# Altium PCB SensorControl_Board_v3.0.PcbDoc
Units mm, origin at the board's own origin, x right, y up, seen from the top; angles counter-clockwise.
Board outline 75 x 62 mm, 4 copper layers (TOP, GND, PWR, BOT), stack 1.483 mm thick; 120 components, 95 nets, 444 pads, 12 vias.
Unrouted connection lines stored in the file: 255.
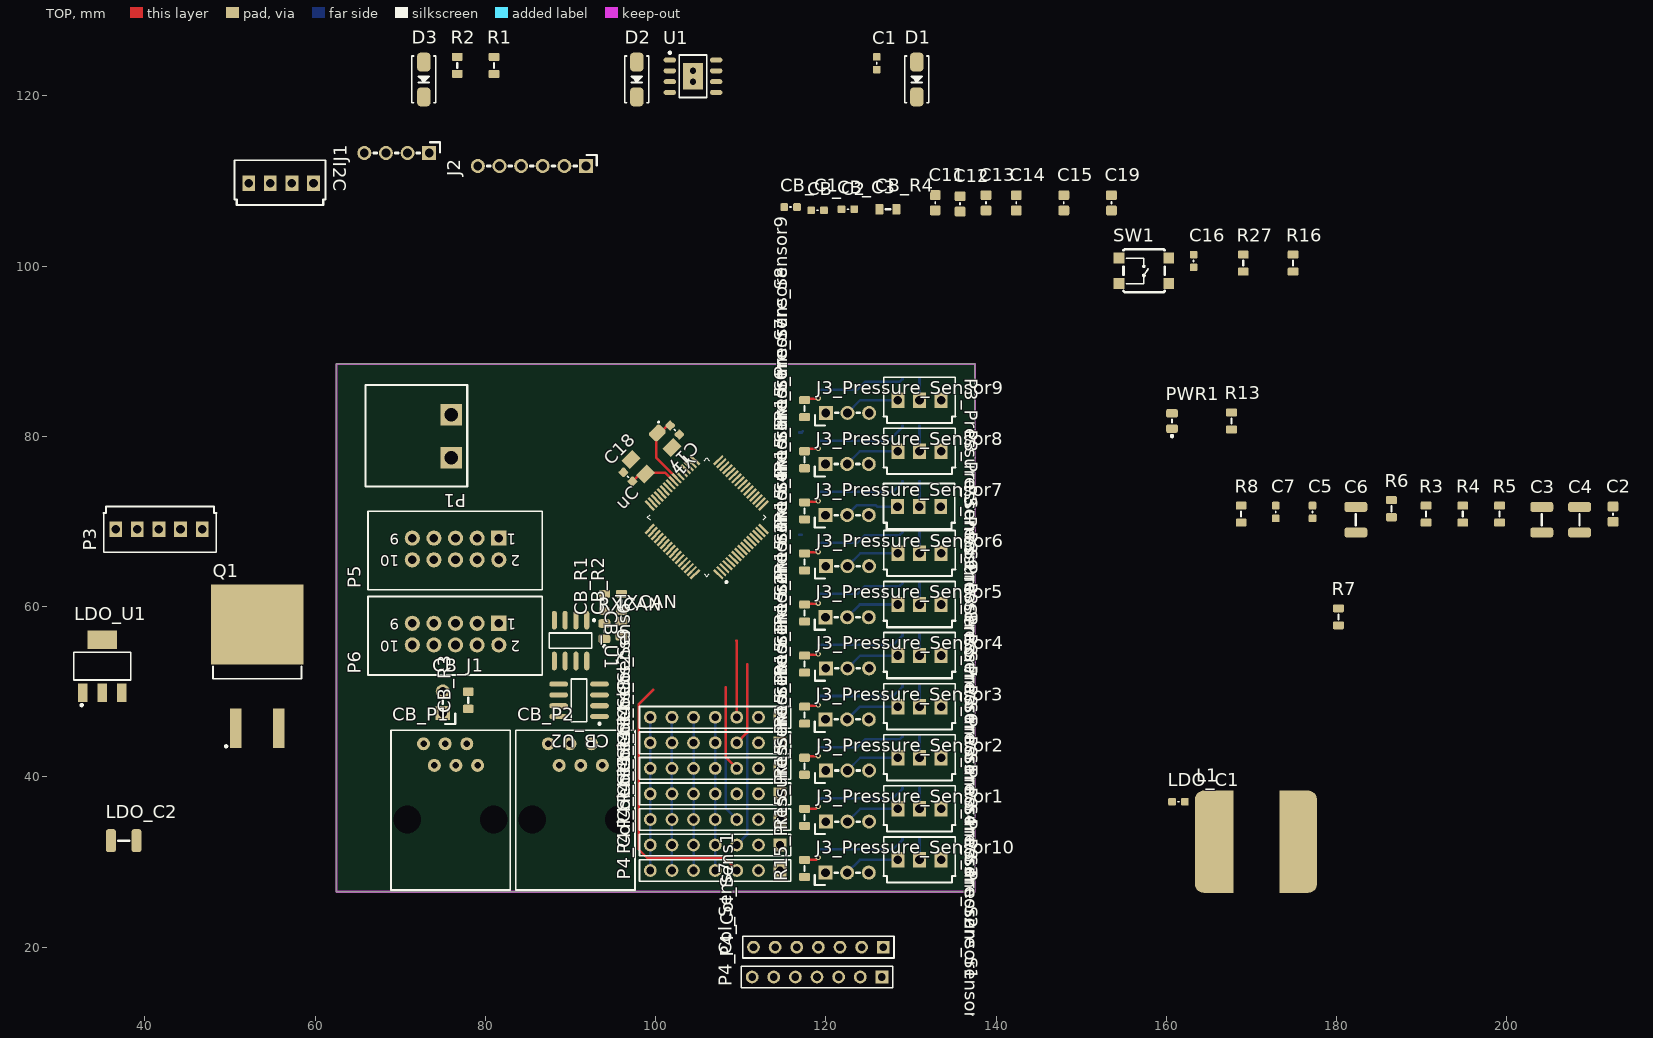
[diagram p0: TOP view]
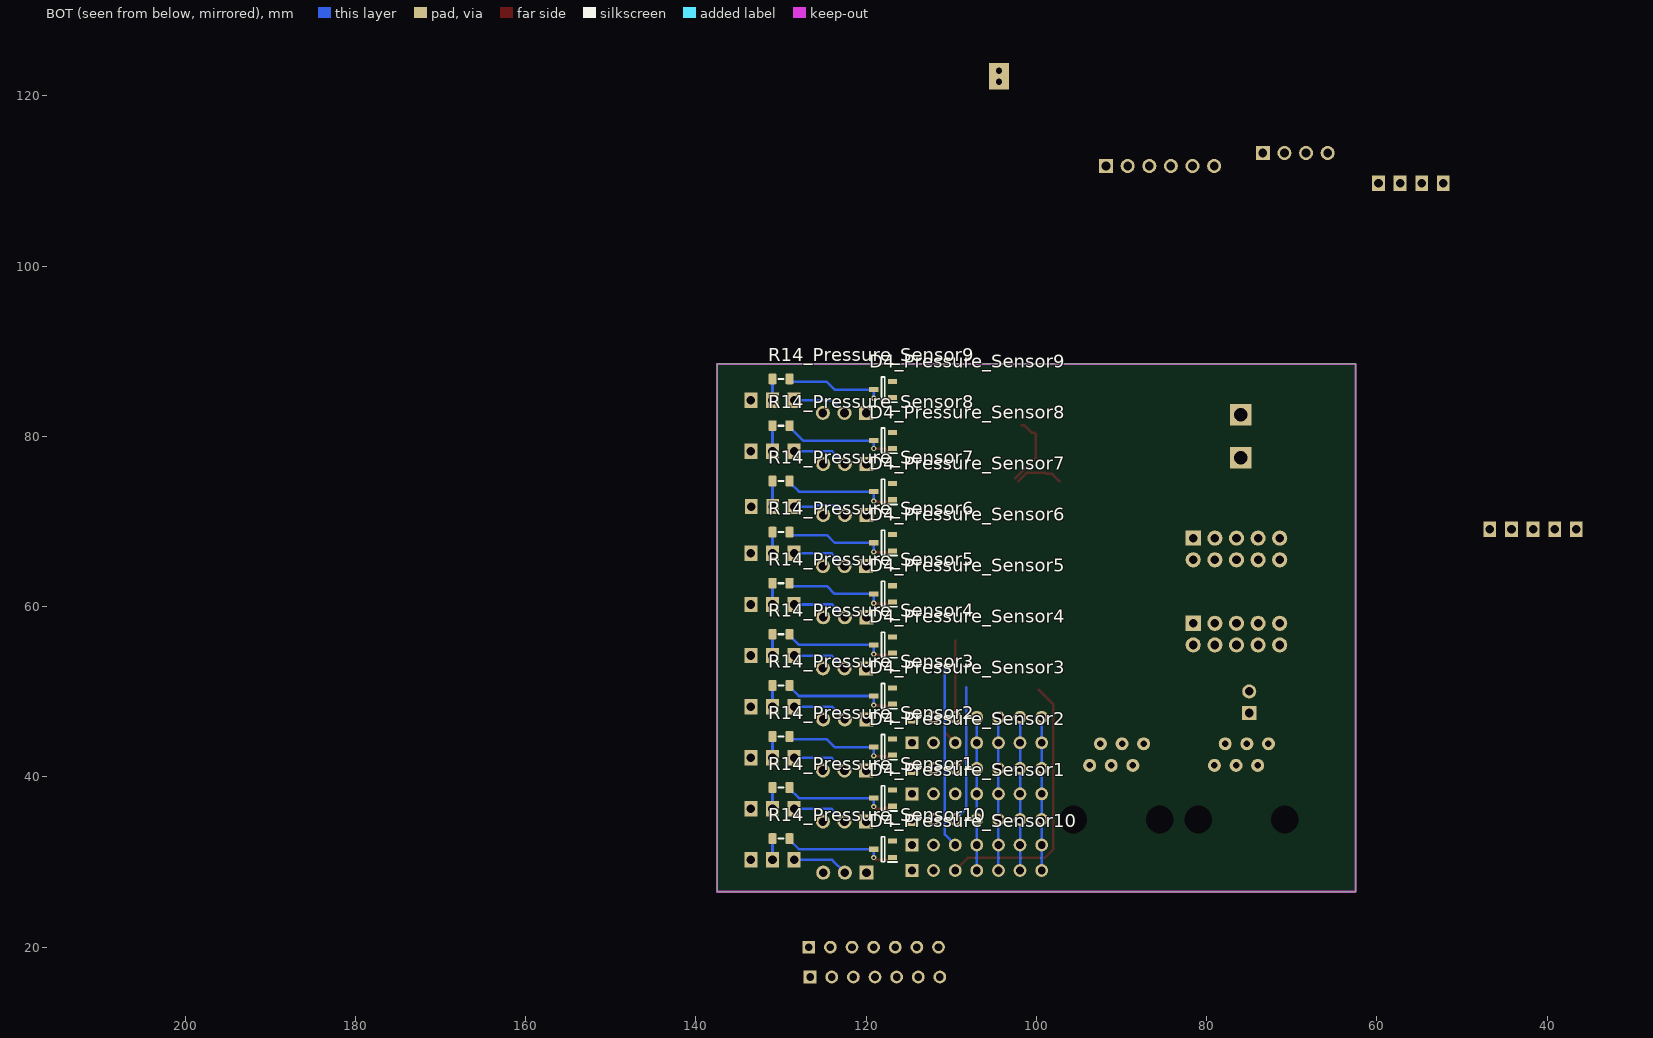
[diagram p1: BOT view, seen from below]
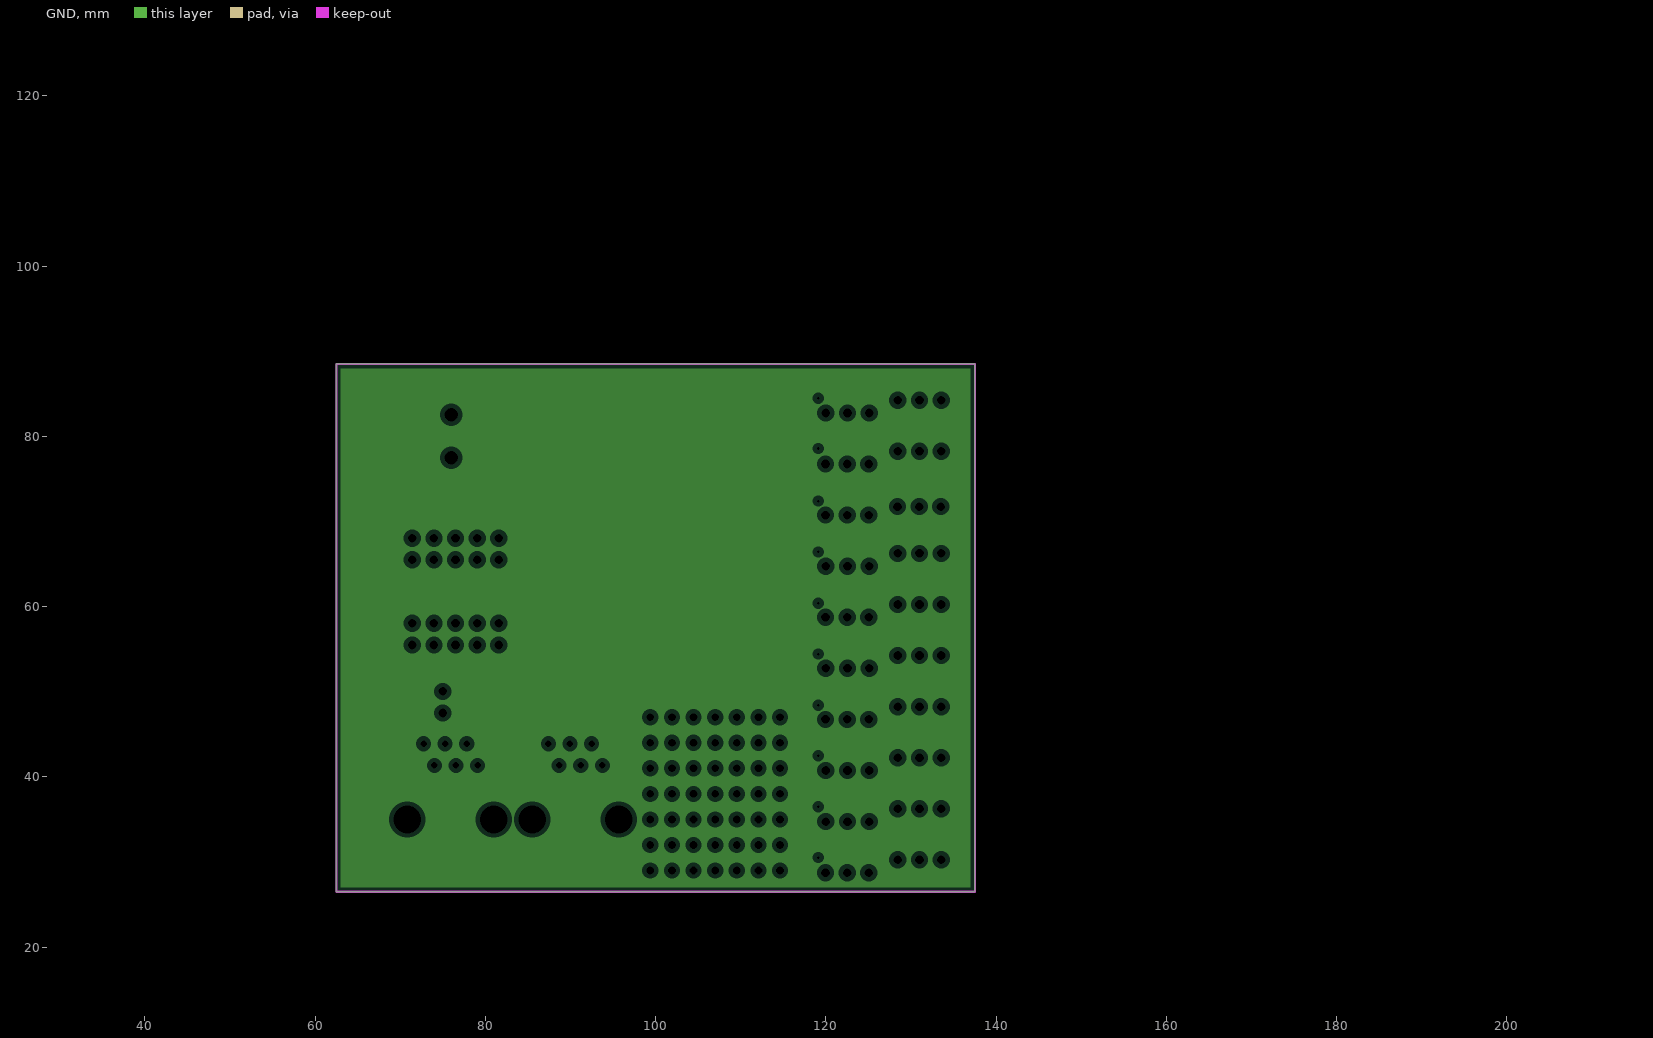
[diagram p2: GND, clearances drawn from the general rule]
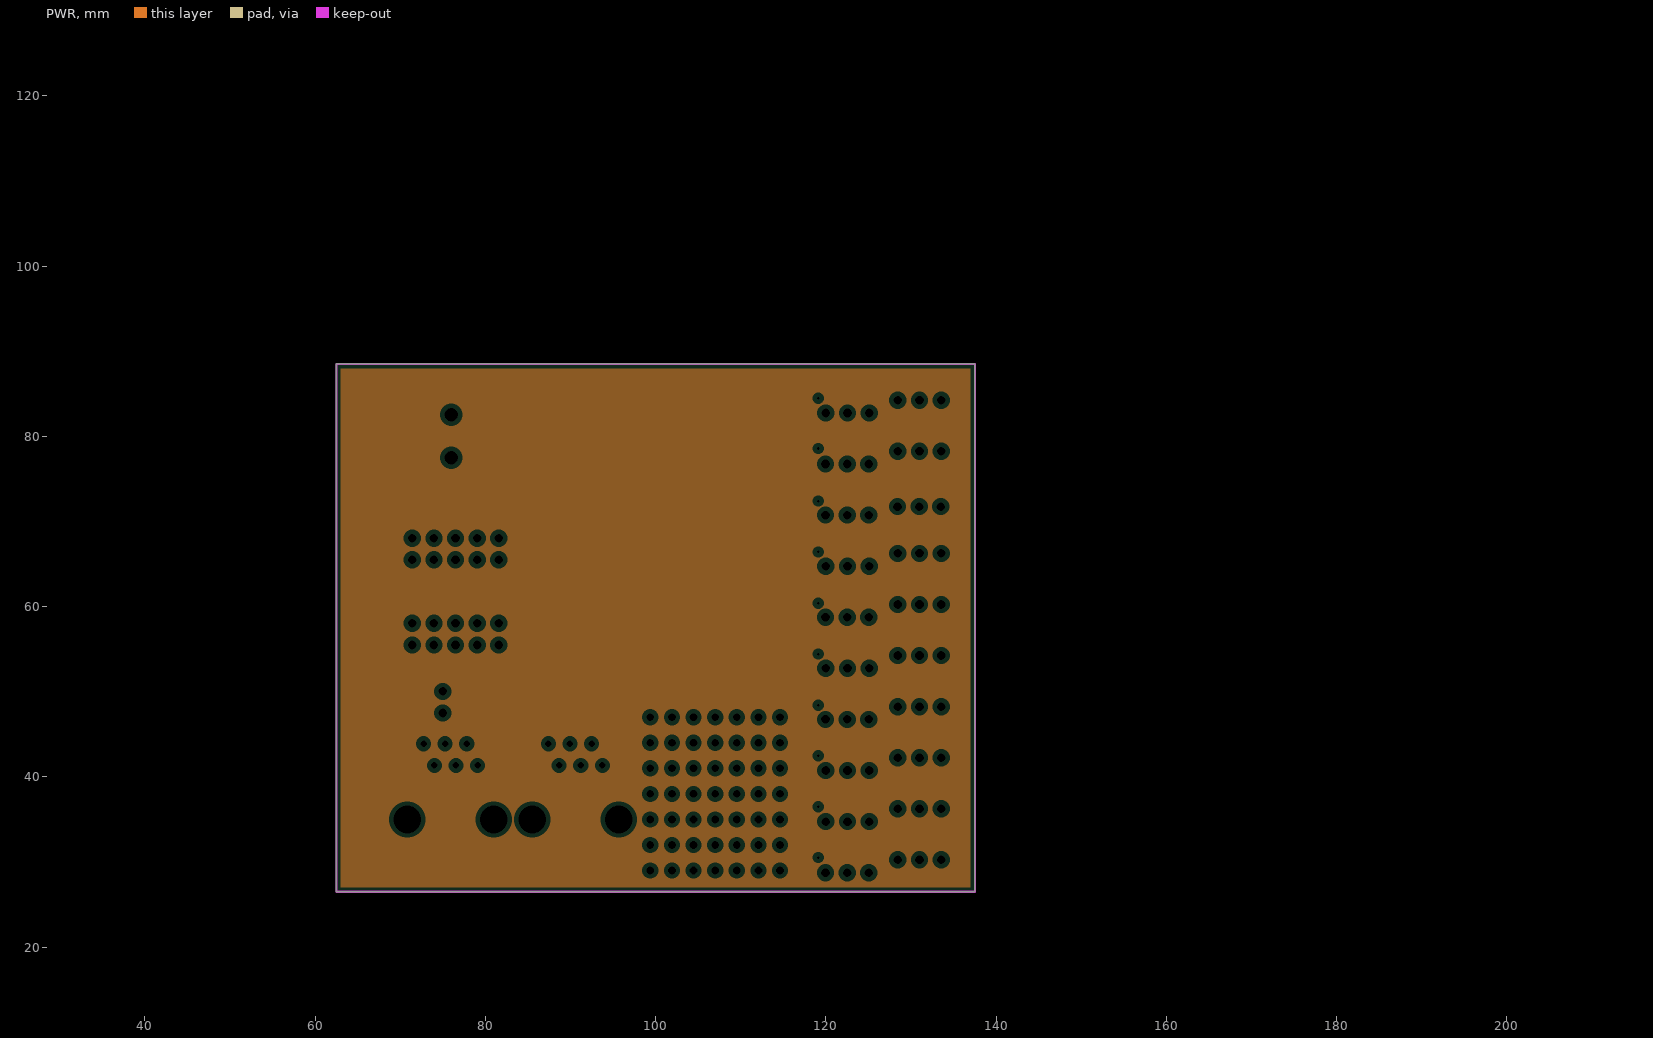
[diagram p3: PWR, clearances drawn from the general rule]

## Layer stack, top to bottom
Top Solder: solder mask 0.0102, Solder Resist, Dk 3.5
TOP: signal copper 0.0356
Dielectric 2: prepreg 0.0711, PP-006, Dk 4.29
GND: plane copper 0.035
Dielectric 1: dielectric 1.2, FR-4, Dk 4.8
PWR: plane copper 0.035
Dielectric 3: prepreg 0.0711, PP-006, Dk 4.29
BOT: signal copper 0.0356
Bottom Solder: solder mask 0.0102, Solder Resist, Dk 3.5

## Board outline
62.5,26.5 62.5,88.5 137.5,88.5 137.5,26.5

## Design rules (kind name [scope] priority, off if disabled: settings)
Clearance [All] p1: gap=0.15 ignorepadtopadclearanceinfootprint=FALSE
PlaneClearance [All] p1: clearance=0.508
PlaneConnect [All] p1: planeconnectstyle=Relief reliefexpansion=0.508 reliefentries=4 reliefconductorwidth=0.254 reliefairgap=0.254
PolygonConnect [All] p1: connectstyle=Relief reliefconductorwidth=0.254 reliefentries=4 polygonreliefangle="90 Angle" airgapwidth=0.254
RoutingVias [All] p1: holewidth=0.711 width=1.27 viastyle="Through Hole" minholewidth=0.711 minwidth=1.27 maxholewidth=0.711 maxwidth=1.27
SolderMaskExpansion [All] p1: expansion=0.102 istentingtop=FALSE
Width [All] p1: maxlimit=0.5 minlimit=0.2 preferedwidth=0.3
28 further rules are at their usual default settings.

## Classes and differential pairs
channel class Pressure_Sensor: Pressure_Sensor1 Pressure_Sensor2 Pressure_Sensor3 Pressure_Sensor4 Pressure_Sensor5 Pressure_Sensor6 Pressure_Sensor7 Pressure_Sensor8 Pressure_Sensor9 Pressure_Sensor10
channel class Color_Sensor: Col_Sens1 Col_Sens2 Col_Sens3 Col_Sens4 Col_Sens5 Col_Sens6 Col_Sens7 Col_Sens8 Col_Sens9
net class TCK[1..9]: TCK1 TCK2 TCK3 TCK4 TCK5 TCK6 TCK7 TCK8 TCK9
net class PS[1..10]: PS1 PS2 PS3 PS4 PS5 PS6 PS7 PS8 PS9 PS10
component class U_PIC32MK: C11 C12 C13 C14 C15 C19 P3 P5 P6 uC
component class U_Communication: I2C J1 J2
component class SensorControl_Board_v3.0: PWR1 R13
component class RESET: C16 R16 R27 SW1
component class Pressure_Sensor10: D4_Pressure_Sensor10 J3_Pressure_Sensor10 P3_Pressure_Sensor10 R14_Pressure_Sensor10 R15_Pressure_Sensor10
component class Pressure_Sensor9: D4_Pressure_Sensor9 J3_Pressure_Sensor9 P3_Pressure_Sensor9 R14_Pressure_Sensor9 R15_Pressure_Sensor9
component class Pressure_Sensor8: D4_Pressure_Sensor8 J3_Pressure_Sensor8 P3_Pressure_Sensor8 R14_Pressure_Sensor8 R15_Pressure_Sensor8
component class Pressure_Sensor7: D4_Pressure_Sensor7 J3_Pressure_Sensor7 P3_Pressure_Sensor7 R14_Pressure_Sensor7 R15_Pressure_Sensor7
component class Pressure_Sensor6: D4_Pressure_Sensor6 J3_Pressure_Sensor6 P3_Pressure_Sensor6 R14_Pressure_Sensor6 R15_Pressure_Sensor6
component class Pressure_Sensor5: D4_Pressure_Sensor5 J3_Pressure_Sensor5 P3_Pressure_Sensor5 R14_Pressure_Sensor5 R15_Pressure_Sensor5
component class Pressure_Sensor4: D4_Pressure_Sensor4 J3_Pressure_Sensor4 P3_Pressure_Sensor4 R14_Pressure_Sensor4 R15_Pressure_Sensor4
component class Pressure_Sensor3: D4_Pressure_Sensor3 J3_Pressure_Sensor3 P3_Pressure_Sensor3 R14_Pressure_Sensor3 R15_Pressure_Sensor3
component class Pressure_Sensor2: D4_Pressure_Sensor2 J3_Pressure_Sensor2 P3_Pressure_Sensor2 R14_Pressure_Sensor2 R15_Pressure_Sensor2
component class Pressure_Sensor1: D4_Pressure_Sensor1 J3_Pressure_Sensor1 P3_Pressure_Sensor1 R14_Pressure_Sensor1 R15_Pressure_Sensor1
component class Oscillator: C17 C18 Y1
component class Col_Sens9: P4_Col_Sens9
component class Col_Sens8: P4_Col_Sens8
component class Col_Sens7: P4_Col_Sens7
component class Col_Sens6: P4_Col_Sens6
component class Col_Sens5: P4_Col_Sens5
component class Col_Sens4: P4_Col_Sens4
component class Col_Sens3: P4_Col_Sens3
component class Col_Sens2: P4_Col_Sens2
component class Col_Sens1: P4_Col_Sens1
component class CANbus: CB_C1 CB_C2 CB_C3 CB_J1 CB_P1 CB_P2 CB_R1 CB_R2 CB_R3 CB_R4 CB_U1 CB_U2 RXCAN TXCAN
component class 5V_PowerSupply: C1 C2 C3 C4 C5 C6 C7 D1 D2 D3 L1 P1 Q1 R1 R2 R3 R4 R5 R6 R7 R8 U1
component class 3v3_PowerSupply: LDO_C1 LDO_C2 LDO_U1 U3

## Components (designator, comment, footprint, x,y, rotation, side; value= is the part's Value field where it differs from the comment)
C1 "100n" CER_0603 125.984,123.825 r0 top
C2 "100nF" CER_0805 212.471,70.866 r0 top
C3 "2.2uF" CER_1210 204.089,70.231 r0 top
C4 "2.2uF" CER_1210 208.534,70.231 r0 top
C5 "68p" CER_0603 177.165,71.12 r0 top
C6 "100uF" CER_1210 182.245,70.231 r0 top
C7 "15n" CER_0603 172.847,71.12 r0 top
C11 "100n" CER_0805 132.842,107.442 r0 top
C12 "100n" CER_0805 135.763,107.304 r0 top
C13 "100n" CER_0805 138.811,107.431 r0 top
C14 "100n" CER_0805 142.367,107.431 r0 top
C15 "100n" CER_0805 147.955,107.431 r0 top
C16 "100n" CER_0603 163.195,100.6 r0 top
C17 "20pF" CER_0603 102.25,80.75 r225 top
C18 "20pF" CER_0603 96.75,75.25 r45 top
C19 "100n" CER_0805 153.543,107.431 r0 top
CB_C1 "100n" CER_0603 115.855,106.933 r90 top
CB_C2 "100n" CER_0603 119.03,106.552 r90 top
CB_C3 "100n" CER_0603 122.586,106.679 r90 top
CB_J1 "*" HM1x2 75,48.77 r90 top
CB_P1 "RJ-11" RJ11-6N-B 76.5,36.7 r90 top
CB_P2 "RJ-11" RJ11-6N-B 91.16,36.7 r90 top
CB_R1 "1k" RESC2013X38N-0805-NOOVERLAY 94,60.5 r180 top
CB_R2 "1k" RESC2013X38N-0805-NOOVERLAY 96,60.5 r180 top
CB_R3 "120R" RESC2013X38N-0805-NOOVERLAY 78,49 r180 top
CB_R4 "10k" RESC2013X38N-0805-NOOVERLAY 127.285,106.679 r90 top
CB_U1 "ADUM1201BRZ-RL7" SOIC-8 90,56 r270 top
CB_U2 "SN65HVD230DR" SOIC-8 91,49 r180 top
D1 "B360B" DO214AC 130.683,121.92 r90 top
D2 "SK34" DO214AC 97.79,121.92 r90 top
D3 "12V" DO214AC 72.771,121.92 r90 top
D4_Pressure_Sensor1 "BAT54S" BAT54S 118,37.5 r0 bottom (schematic designator D4)
D4_Pressure_Sensor2 "BAT54S" BAT54S 118,43.5 r0 bottom (schematic designator D4)
D4_Pressure_Sensor3 "BAT54S" BAT54S 118,49.5 r0 bottom (schematic designator D4)
D4_Pressure_Sensor4 "BAT54S" BAT54S 118,55.5 r0 bottom (schematic designator D4)
D4_Pressure_Sensor5 "BAT54S" BAT54S 118,61.5 r0 bottom (schematic designator D4)
D4_Pressure_Sensor6 "BAT54S" BAT54S 118,67.5 r0 bottom (schematic designator D4)
D4_Pressure_Sensor7 "BAT54S" BAT54S 118,73.5 r0 bottom (schematic designator D4)
D4_Pressure_Sensor8 "BAT54S" BAT54S 118,79.5 r0 bottom (schematic designator D4)
D4_Pressure_Sensor9 "BAT54S" BAT54S 118,85.5 r0 bottom (schematic designator D4)
D4_Pressure_Sensor10 "BAT54S" BAT54S 118,31.5 r0 bottom (schematic designator D4)
I2C "TE CONNECTIVITY_4PIN_MALE" "TE CONNECTIVITY_4PIN_MALE" 52.197,109.728 r0 top
J1 "HEADER_1x4" HM1X4 69.596,113.284 r180 top
J2 "HEADER_1x6" HM1X6 85.471,111.76 r180 top
J3_Pressure_Sensor1 "*" HM1X3 122.54,34.75 r0 top (schematic designator J3)
J3_Pressure_Sensor2 "*" HM1X3 122.54,40.75 r0 top (schematic designator J3)
J3_Pressure_Sensor3 "*" HM1X3 122.5,46.75 r0 top (schematic designator J3)
J3_Pressure_Sensor4 "*" HM1X3 122.54,52.75 r0 top (schematic designator J3)
J3_Pressure_Sensor5 "*" HM1X3 122.5,58.75 r0 top (schematic designator J3)
J3_Pressure_Sensor6 "*" HM1X3 122.54,64.75 r0 top (schematic designator J3)
J3_Pressure_Sensor7 "*" HM1X3 122.5,70.75 r0 top (schematic designator J3)
J3_Pressure_Sensor8 "*" HM1X3 122.5,76.75 r0 top (schematic designator J3)
J3_Pressure_Sensor9 "*" HM1X3 122.54,82.75 r0 top (schematic designator J3)
J3_Pressure_Sensor10 "*" HM1X3 122.5,28.75 r0 top (schematic designator J3)
L1 "10uH" INDUCTOR_SS1260-103MLD 170.561,32.004 r0 top value=10u
LDO_C1 "100n" CER_0603 161.417,37.084 r90 top
LDO_C2 "10uF" TANT_1210 37.5,32.5 r90 top
LDO_U1 "LM2937-5" SOT223 35,53 r0 top
P1 "2EDGRC-5.08-02P-14-00A(H)" PWR_Con 76,82.529 r180 top
P3 "PICKIT" "TE CONNECTIVITY_5PIN_MALE" 46.736,69.088 r180 top
P3_Pressure_Sensor1 "TE CONNECTIVITY_3PIN_MALE" "TE CONNECTIVITY_3PIN_MALE" 128.46,36.25 r0 top (schematic designator P3)
P3_Pressure_Sensor2 "TE CONNECTIVITY_3PIN_MALE" "TE CONNECTIVITY_3PIN_MALE" 128.46,42.25 r0 top (schematic designator P3)
P3_Pressure_Sensor3 "TE CONNECTIVITY_3PIN_MALE" "TE CONNECTIVITY_3PIN_MALE" 128.46,48.25 r0 top (schematic designator P3)
P3_Pressure_Sensor4 "TE CONNECTIVITY_3PIN_MALE" "TE CONNECTIVITY_3PIN_MALE" 128.46,54.25 r0 top (schematic designator P3)
P3_Pressure_Sensor5 "TE CONNECTIVITY_3PIN_MALE" "TE CONNECTIVITY_3PIN_MALE" 128.46,60.25 r0 top (schematic designator P3)
P3_Pressure_Sensor6 "TE CONNECTIVITY_3PIN_MALE" "TE CONNECTIVITY_3PIN_MALE" 128.46,66.25 r0 top (schematic designator P3)
P3_Pressure_Sensor7 "TE CONNECTIVITY_3PIN_MALE" "TE CONNECTIVITY_3PIN_MALE" 128.42,71.75 r0 top (schematic designator P3)
P3_Pressure_Sensor8 "TE CONNECTIVITY_3PIN_MALE" "TE CONNECTIVITY_3PIN_MALE" 128.46,78.25 r0 top (schematic designator P3)
P3_Pressure_Sensor9 "TE CONNECTIVITY_3PIN_MALE" "TE CONNECTIVITY_3PIN_MALE" 128.46,84.25 r0 top (schematic designator P3)
P3_Pressure_Sensor10 "TE CONNECTIVITY_3PIN_MALE" "TE CONNECTIVITY_3PIN_MALE" 128.46,30.25 r0 top (schematic designator P3)
P4_Col_Sens1 "Header 7" HDR1X7 126.74,20 r180 top (schematic designator P4)
P4_Col_Sens2 "Header 7" HDR1X7 114.62,41 r180 top (schematic designator P4)
P4_Col_Sens3 "Header 7" HDR1X7 114.62,32 r180 top (schematic designator P4)
P4_Col_Sens4 "Header 7" HDR1X7 114.62,35 r180 top (schematic designator P4)
P4_Col_Sens5 "Header 7" HDR1X7 114.62,29 r180 top (schematic designator P4)
P4_Col_Sens6 "Header 7" HDR1X7 114.62,47 r180 top (schematic designator P4)
P4_Col_Sens7 "Header 7" HDR1X7 126.58,16.5 r180 top (schematic designator P4)
P4_Col_Sens8 "Header 7" HDR1X7 114.62,38 r180 top (schematic designator P4)
P4_Col_Sens9 "Header 7" HDR1X7 114.62,44 r180 top (schematic designator P4)
P5 "Header 5X2" CONNECTOR_2X5 81.58,68.04 r180 top
P6 "Header 5X2" CONNECTOR_2X5 81.58,58.04 r180 top
PWR1 "LED RED" LED_RED_0805 160.655,81.804 r90 top
Q1 "IRF9540NSPBF" D2PAK-2 53.276,49.865 r0 top
R1 "330k" RESC2013X38N-0805-NOOVERLAY 81.026,123.571 r0 top
R2 "51k" RESC2013X38N-0805-NOOVERLAY 76.708,123.571 r0 top
R3 "56k" RESC2013X38N-0805-NOOVERLAY 190.5,70.866 r0 top
R4 "160k" RESC2013X38N-0805-NOOVERLAY 194.818,70.866 r0 top
R5 "15k" RESC2013X38N-0805-NOOVERLAY 199.136,70.866 r0 top
R6 "9.1k" RESC2013X38N-0805-NOOVERLAY 186.436,71.501 r0 top
R7 "2.7k" RESC2013X38N-0805-NOOVERLAY 180.213,58.801 r0 top
R8 "620R" RESC2013X38N-0805-NOOVERLAY 168.783,70.866 r0 top
R13 "1k" RESC2013X38N-0805-NOOVERLAY 167.64,81.804 r0 top
R14_Pressure_Sensor1 "10k" RESC2013X38N-0805-NOOVERLAY 130,38.75 r90 bottom (schematic designator R14)
R14_Pressure_Sensor2 "10k" RESC2013X38N-0805-NOOVERLAY 130,44.75 r90 bottom (schematic designator R14)
R14_Pressure_Sensor3 "10k" RESC2013X38N-0805-NOOVERLAY 130,50.75 r90 bottom (schematic designator R14)
R14_Pressure_Sensor4 "10k" RESC2013X38N-0805-NOOVERLAY 130,56.75 r90 bottom (schematic designator R14)
R14_Pressure_Sensor5 "10k" RESC2013X38N-0805-NOOVERLAY 130,62.75 r90 bottom (schematic designator R14)
R14_Pressure_Sensor6 "10k" RESC2013X38N-0805-NOOVERLAY 130,68.75 r90 bottom (schematic designator R14)
R14_Pressure_Sensor7 "10k" RESC2013X38N-0805-NOOVERLAY 130,74.75 r90 bottom (schematic designator R14)
R14_Pressure_Sensor8 "10k" RESC2013X38N-0805-NOOVERLAY 130,81.25 r90 bottom (schematic designator R14)
R14_Pressure_Sensor9 "10k" RESC2013X38N-0805-NOOVERLAY 130,86.75 r90 bottom (schematic designator R14)
R14_Pressure_Sensor10 "10k" RESC2013X38N-0805-NOOVERLAY 130,32.75 r90 bottom (schematic designator R14)
R15_Pressure_Sensor1 "10k" RESC2013X38N-0805-NOOVERLAY 117.5,35.25 r180 top (schematic designator R15)
R15_Pressure_Sensor2 "10k" RESC2013X38N-0805-NOOVERLAY 117.5,41.25 r180 top (schematic designator R15)